# Altium PCB PCB5_制版20140402.PcbDoc (part 1 of 5) (continued)
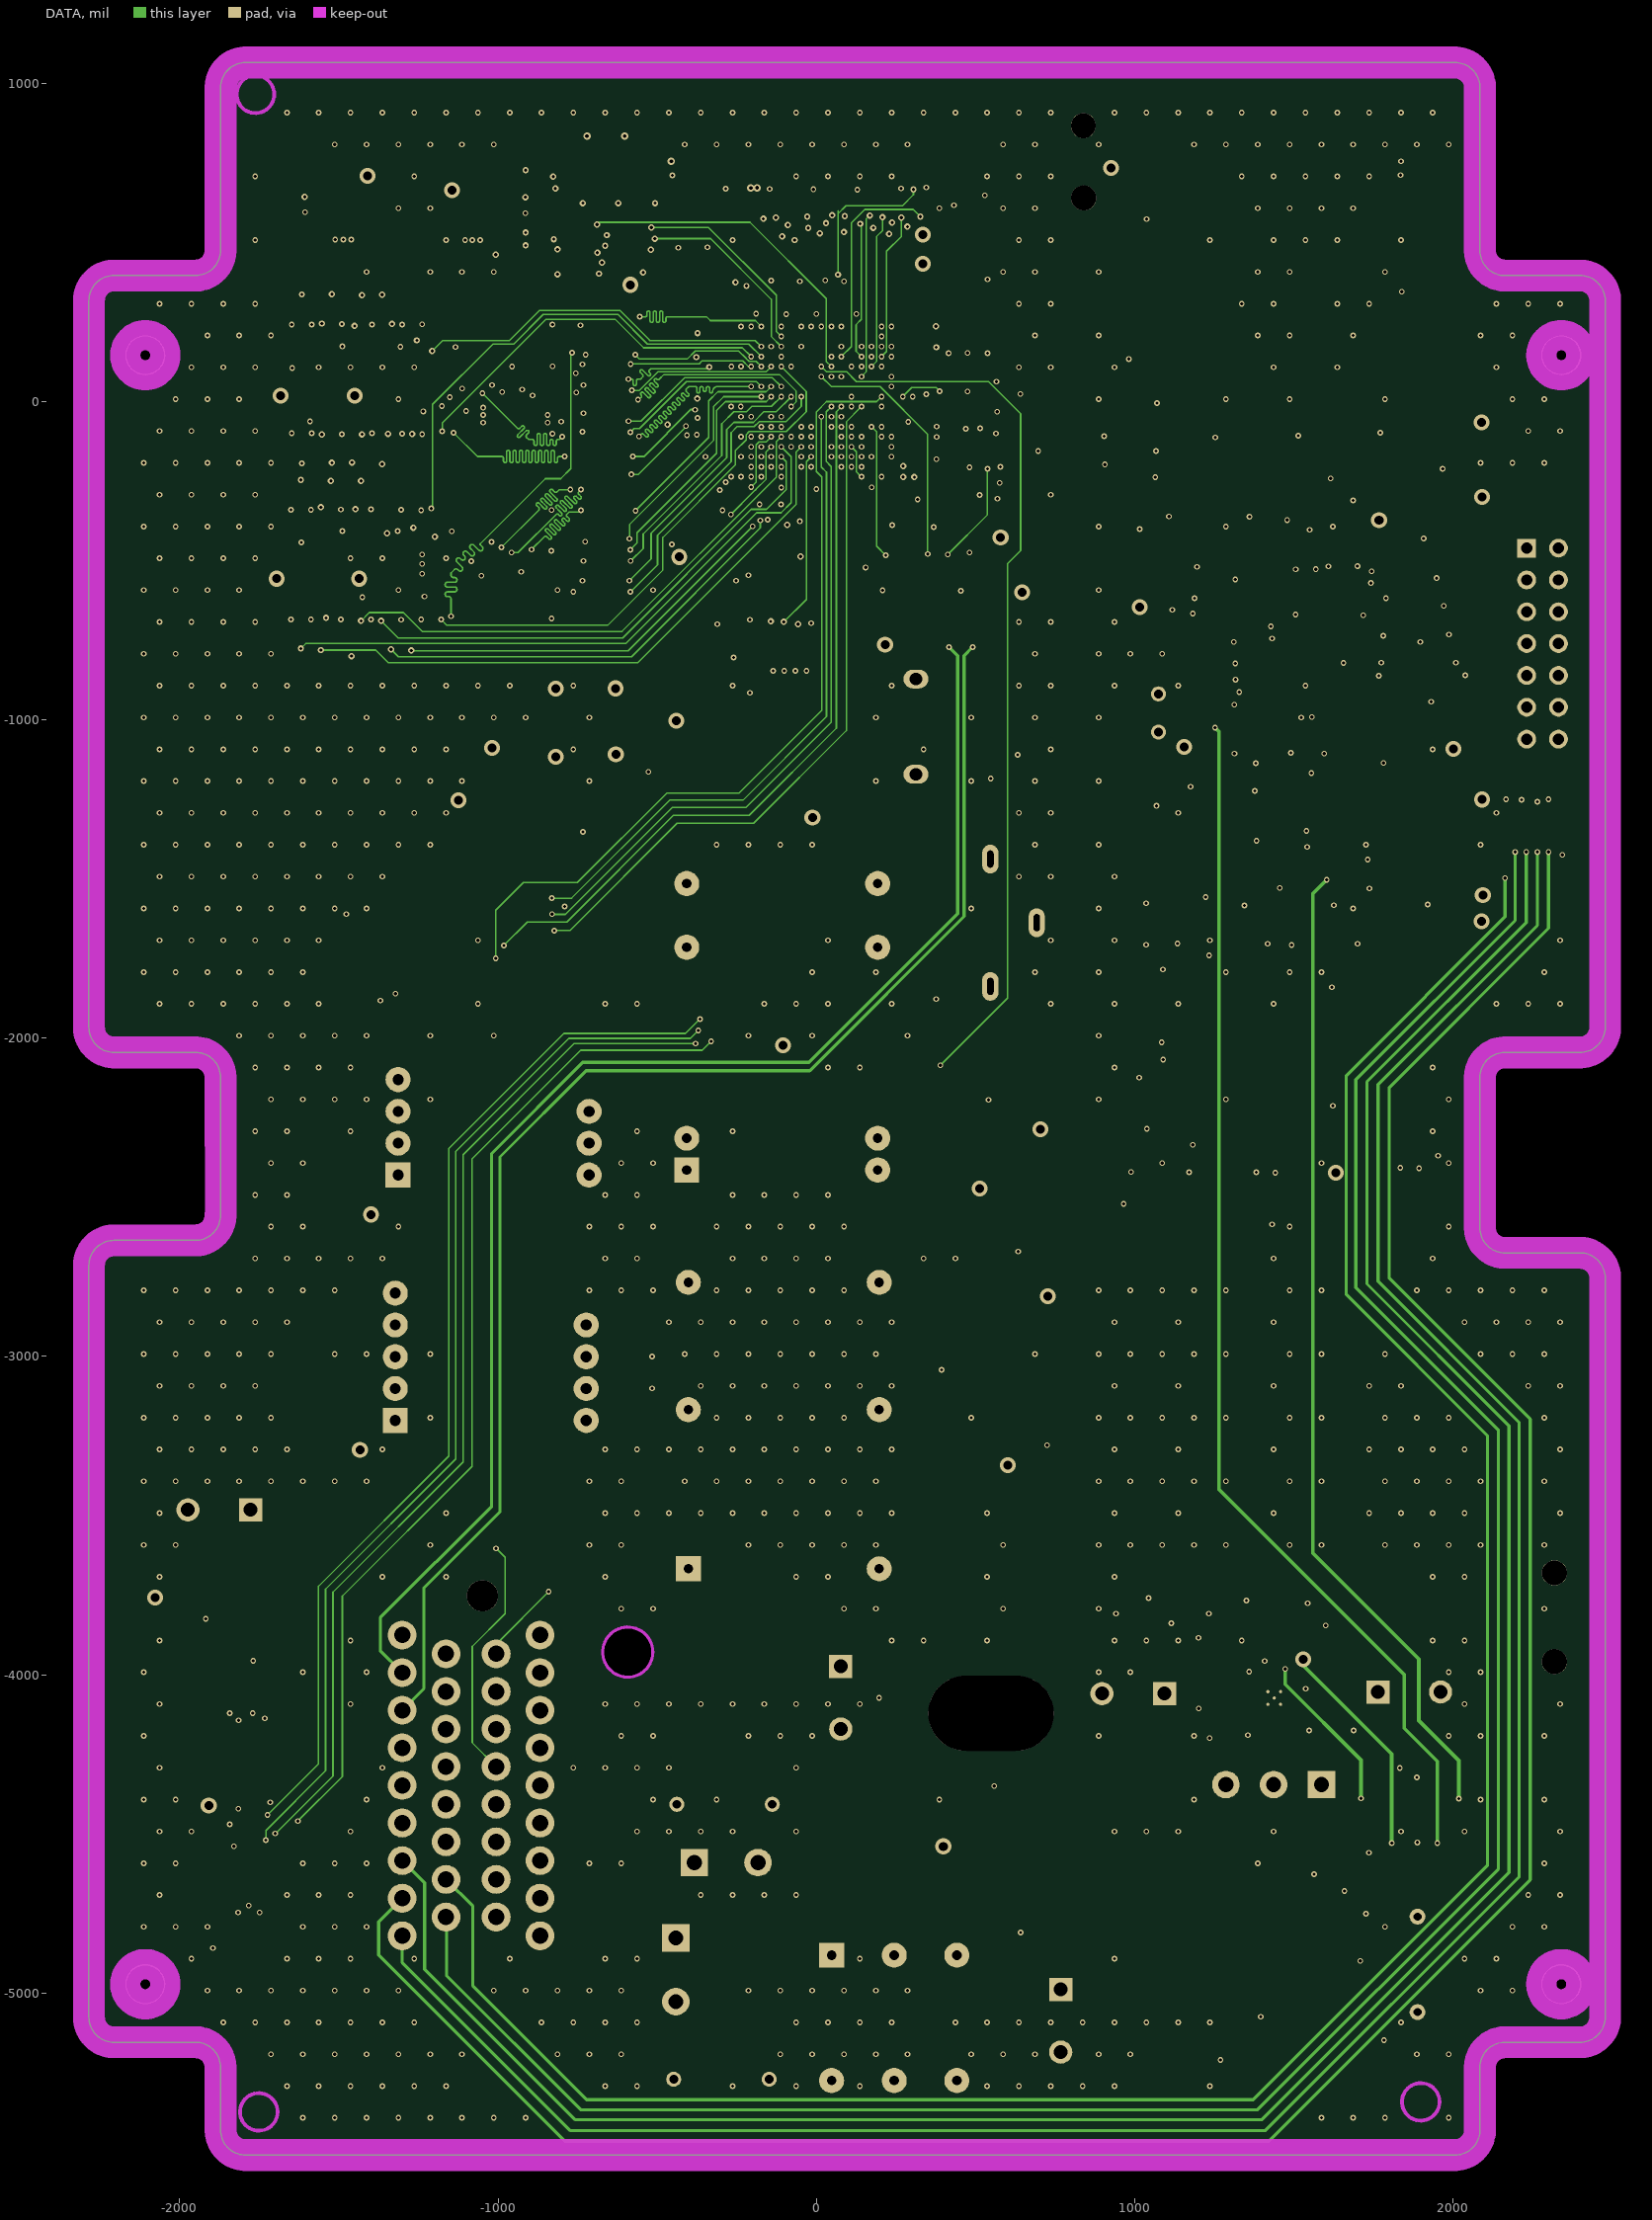
[diagram p4: DATA]
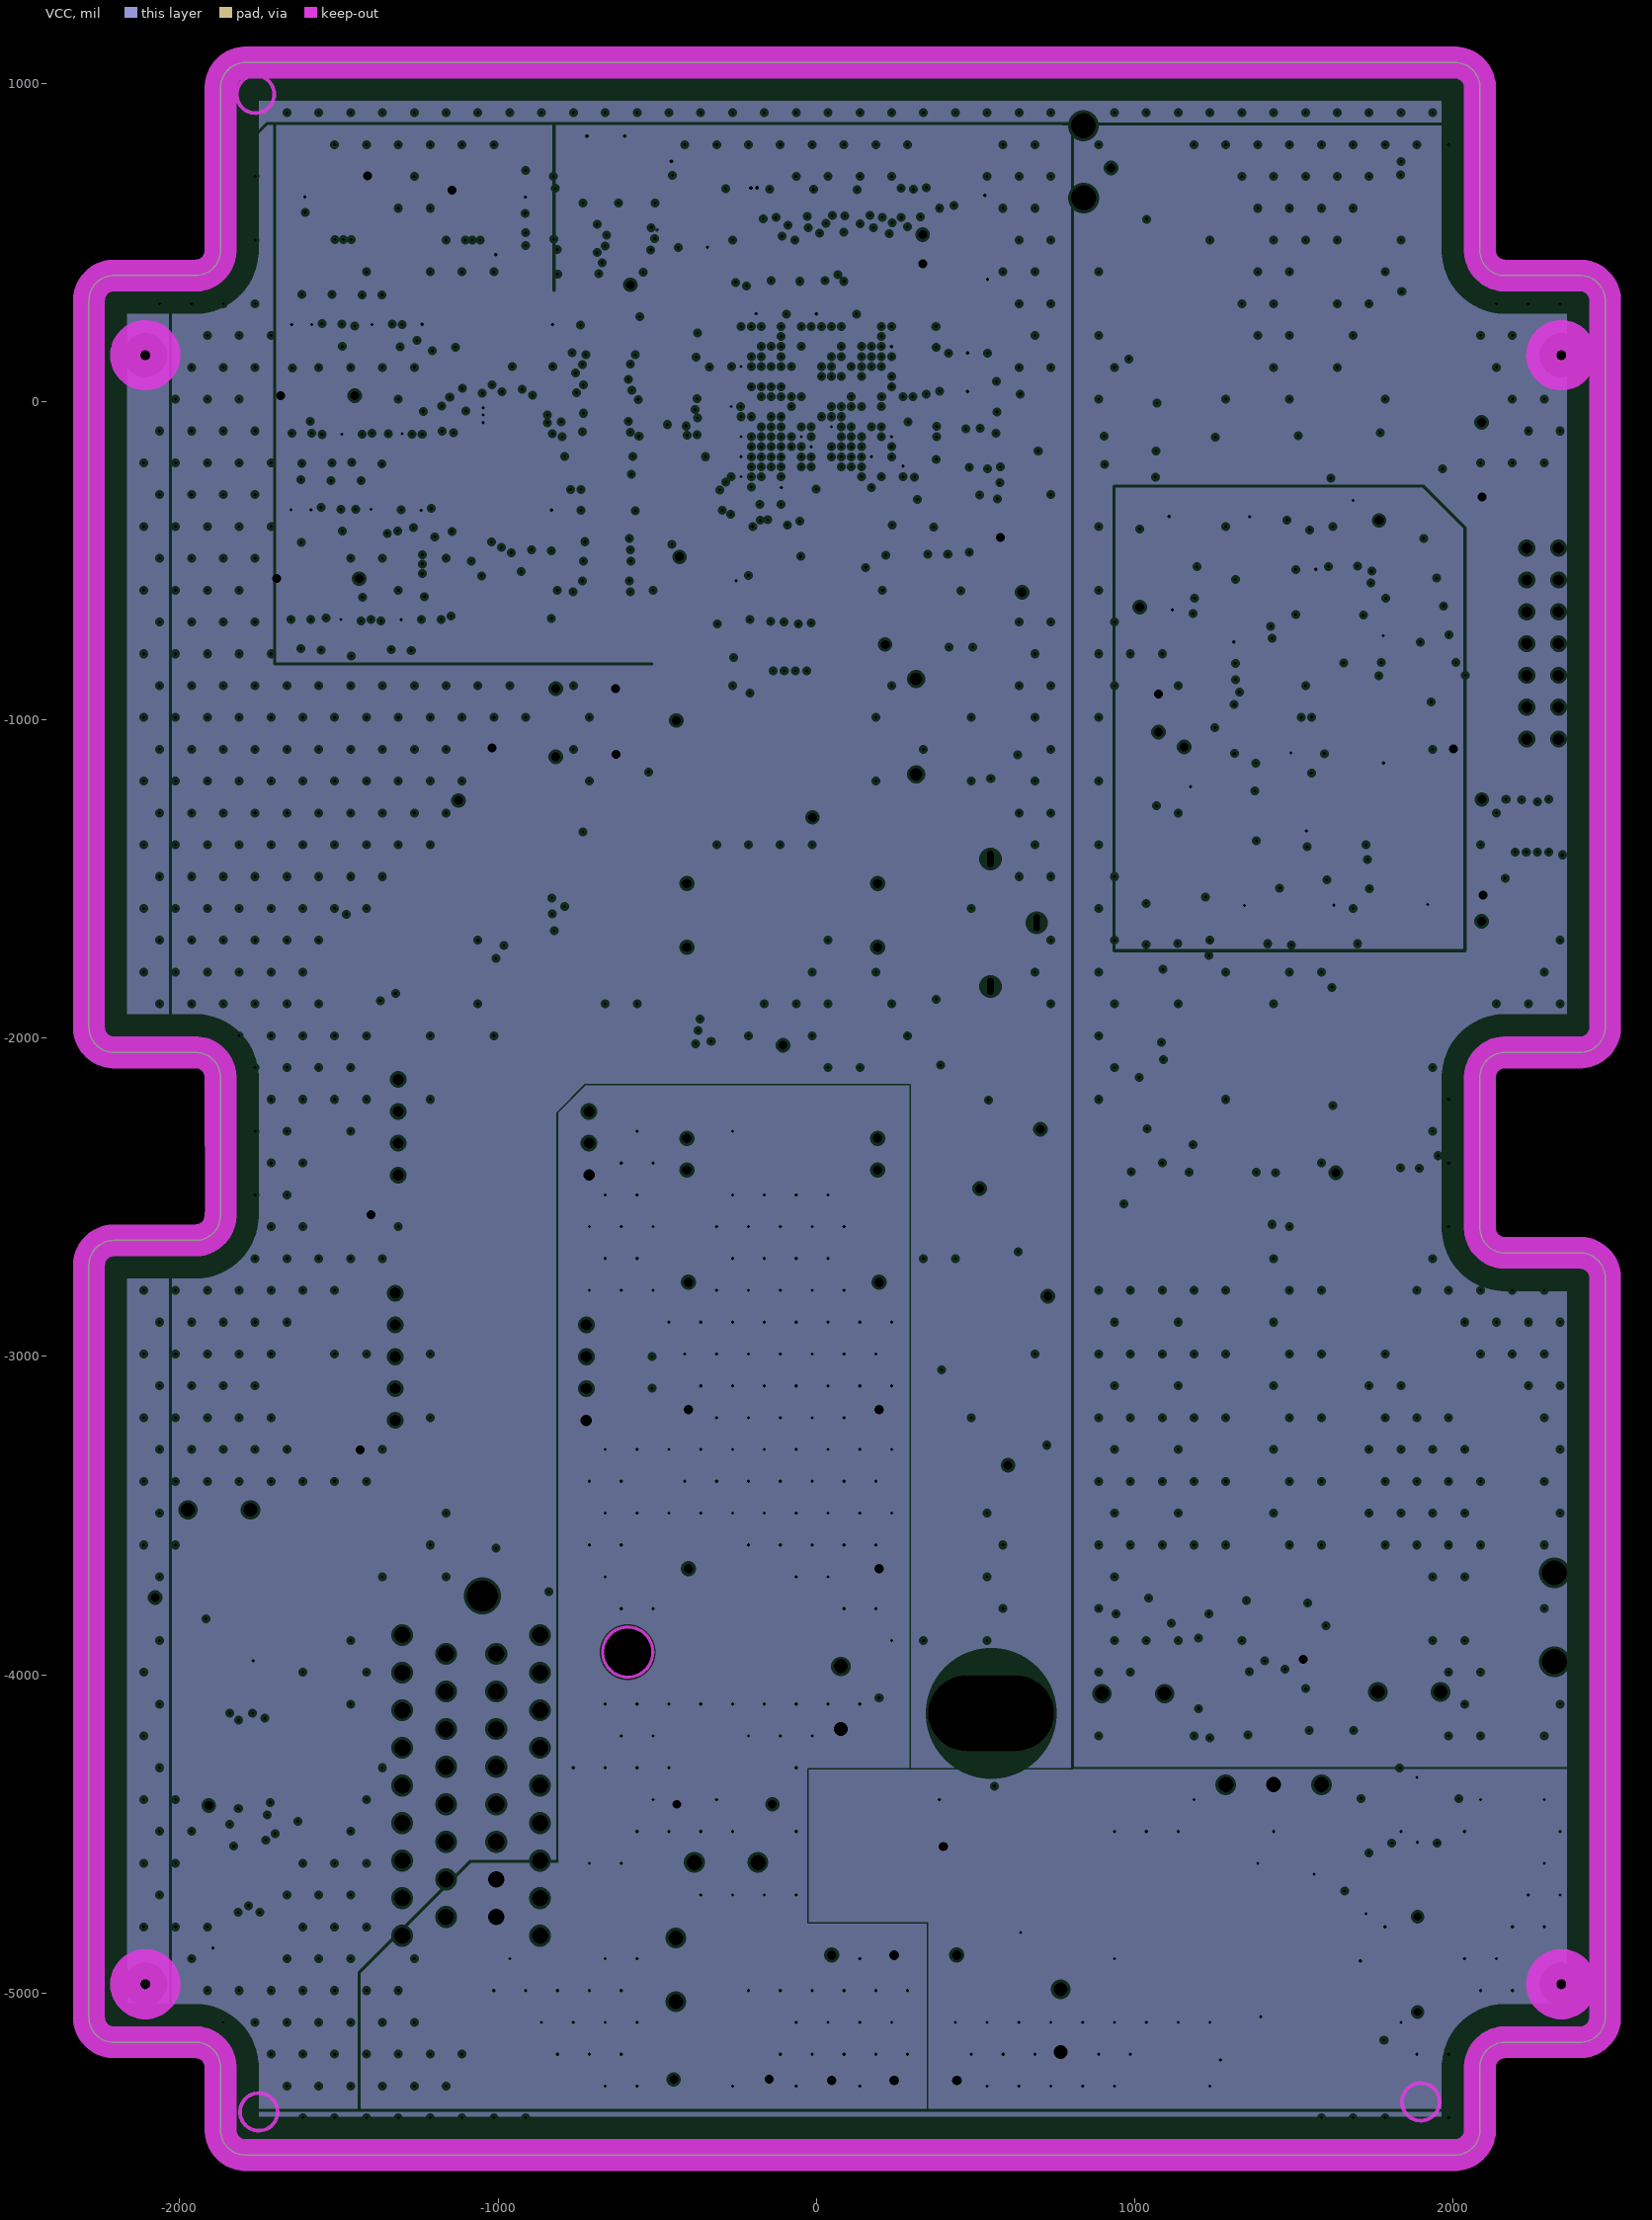
[diagram p5: VCC, clearances drawn from the general rule]
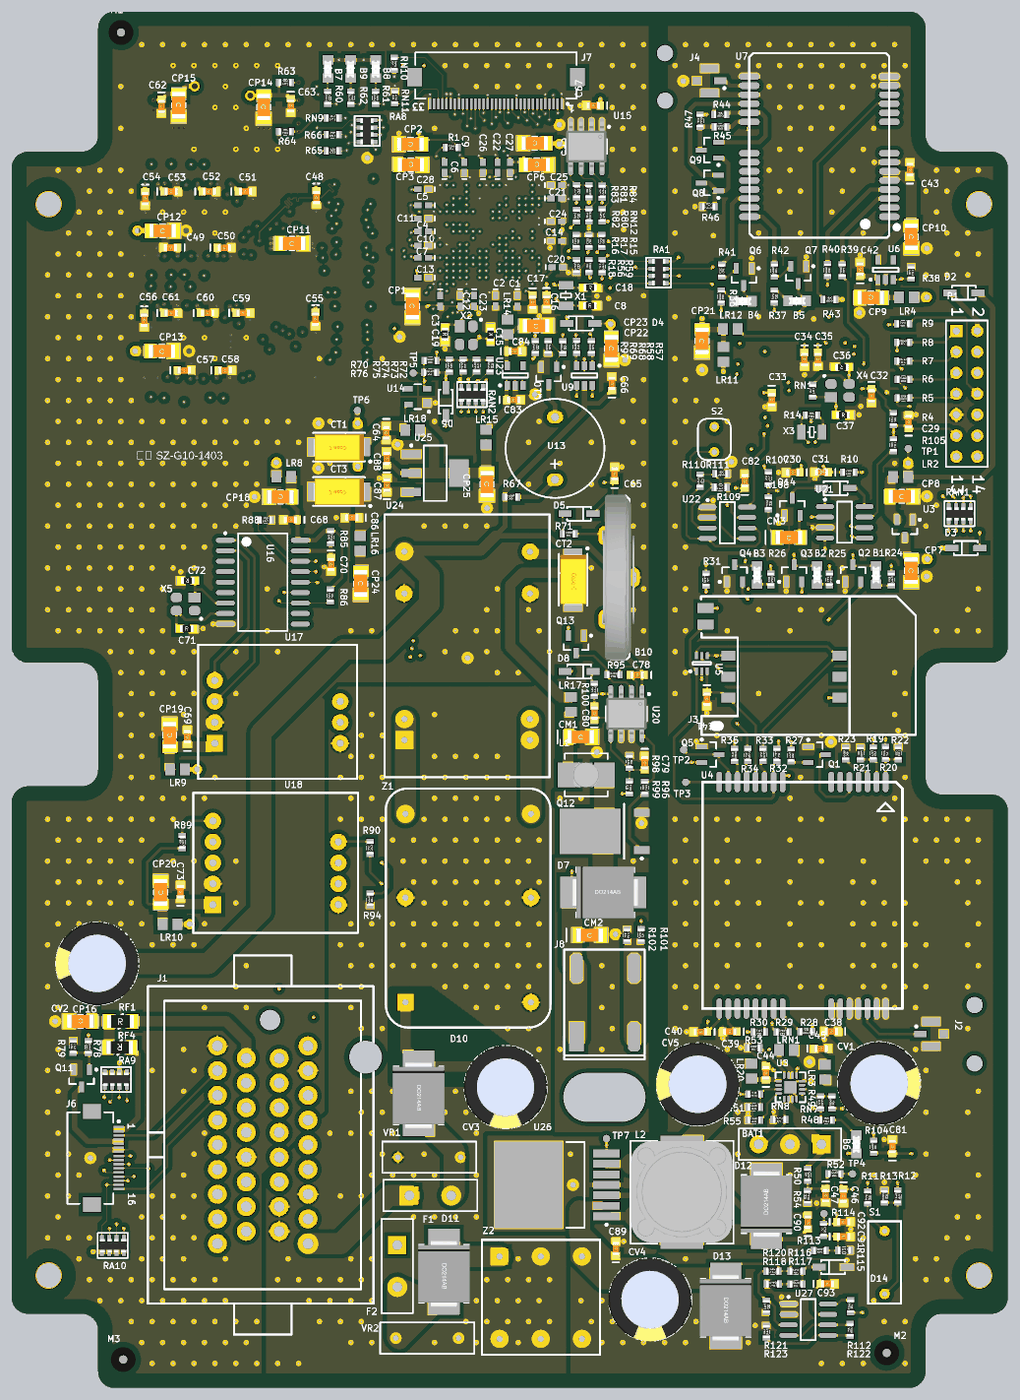
[diagram p10: 3D render of the assembled board from above, using the file's embedded part models]
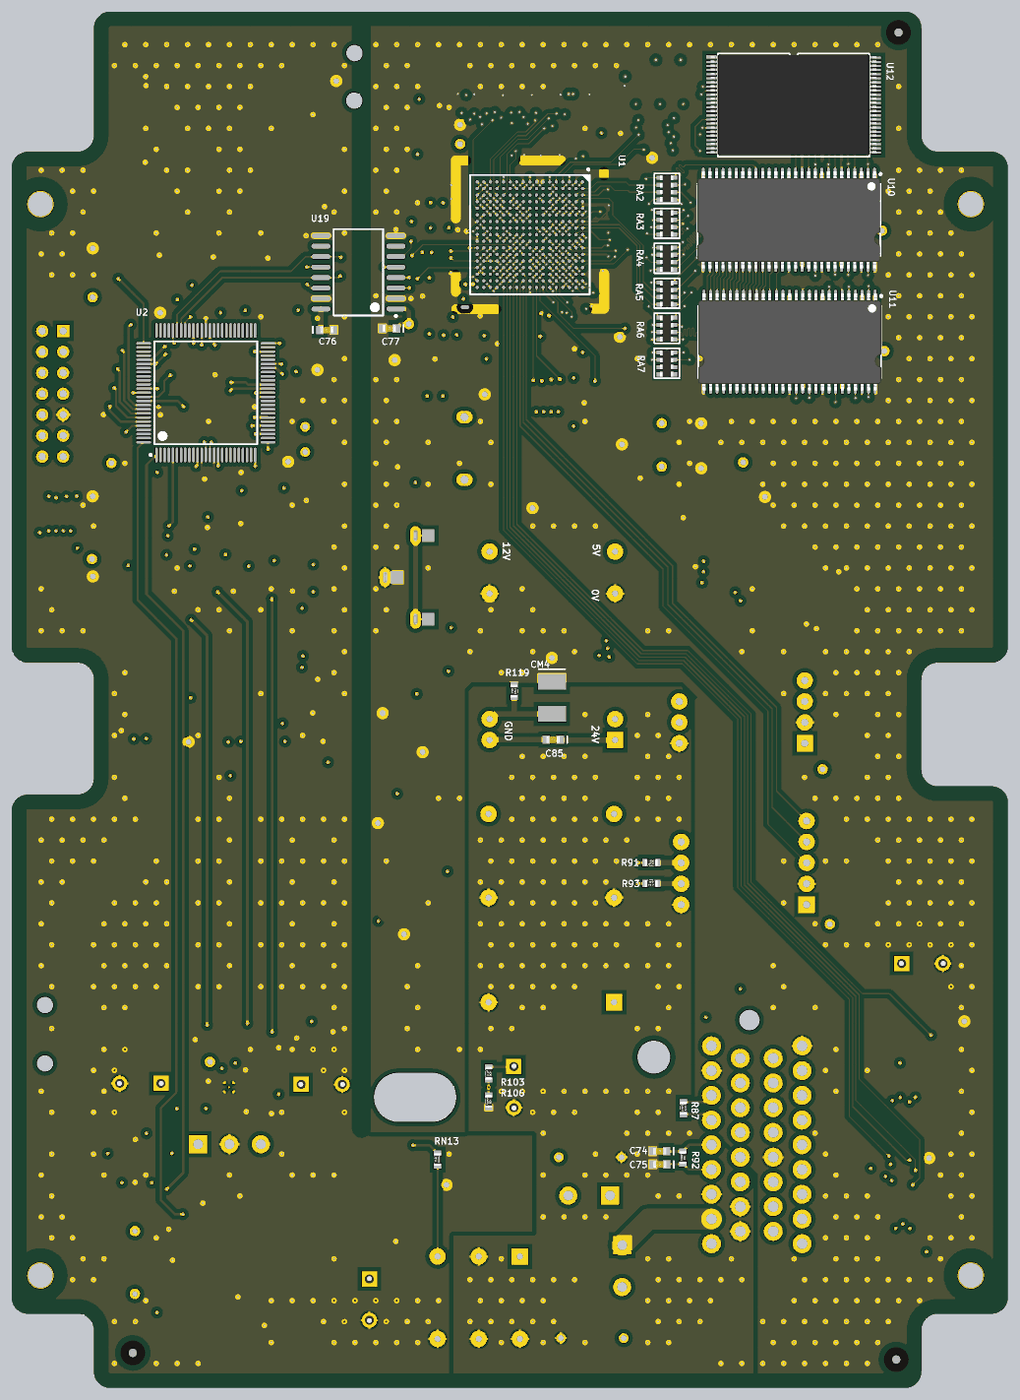
[diagram p11: 3D render of the assembled board from below, using the file's embedded part models]

## Layer stack, top to bottom
Top Layer: signal copper 1.4
Dielectric: core 9.4488, FR-4, Dk 4.8
GND: plane copper 1.4, net (Multiple Nets)
Dielectric: prepreg 18.1102, FR-4, Dk 4.8
ADDR: signal copper 1.4
Dielectric: core 14.1732, FR-4, Dk 4.8
DATA: signal copper 1.4
Dielectric: prepreg 18.1102, FR-4, Dk 4.8
VCC: plane copper 1.4, net (Multiple Nets)
Dielectric: core 12.6, FR-4, Dk 4.8
Bottom Layer: signal copper 1.4

## Board outline
-2285.41,-5076.15 ccw(c-2206.67,-5076.15) -2206.67,-5154.89 -1950.5,-5154.89 cw(c-1950.5,-5233.63) -1871.76,-5233.63 -1871.76,-5430.55 ccw(c-1793.02,-5430.55) -1793.02,-5509.29 2006.19,-5509.29 ccw(c2006.19,-5430.55) 2084.93,-5430.55 2084.93,-5233.63 cw(c2163.67,-5233.63) 2163.67,-5154.89 2399.63,-5154.89 ccw(c2399.63,-5076.15) 2478.37,-5076.15 2478.37,-2753.32 ccw(c2399.63,-2753.32) 2399.63,-2674.58 2163.67,-2674.58 cw(c2163.67,-2595.84) 2084.93,-2595.84 2084.93,-2123.4 cw(c2163.67,-2123.4) 2163.67,-2044.66 2399.63,-2044.66 ccw(c2399.63,-1965.92) 2478.37,-1965.92 2478.37,317.55 ccw(c2399.63,317.55) 2399.63,396.29 2163.67,396.29 cw(c2163.67,475.03) 2084.93,475.03 2084.93,986.84 ccw(c2006.19,986.84) 2006.19,1065.58 -1793.02,1065.58 ccw(c-1793.02,986.84) -1871.76,986.84 -1871.76,475.03 cw(c-1950.5,475.03) -1950.5,396.29 -2206.67,396.29 ccw(c-2206.67,317.55) -2285.41,317.55 -2285.41,-1965.92 ccw(c-2206.67,-1965.92) -2206.67,-2044.66 -1950.5,-2044.66 cw(c-1950.5,-2123.4) -1871.76,-2123.4 -1871.03,-2557.52 -1871.76,-2556.54 cw(c-1950.5,-2556.54) -1950.5,-2635.28 -2206.67,-2635.28 ccw(c-2206.67,-2714.02) -2285.41,-2714.02

## Design rules (kind name [scope] priority, off if disabled: settings)
Clearance Clearance_2 [InNamedPolygon('Top Layer-GGND') Or  InNamedPolygon('Bottom Layer-DGND') Or  InNamedPolygon('Top Layer-EGND') Or  InNamedPolygon('Top Layer-DGND') Or  InNamedPolygon('Bottom Layer-GGND') Or  InNamedPolygon('Bottom Layer-EGND')] p1: gap=20
Clearance Clearance_Polygon_VDD1.3 [InNamedPolygon('Top Layer-VDD1.3V')] p2: gap=8
Clearance Clearance_DDR_Poly_25mil [IsTrack and (InNetClass('DDR_CTL') or InNetClass('DDR_CTL0') or InNetClass('DDR_D0') or InNetClass('DDR_D1') or InNetClass('DDR_D2') or InNetClass('DDR_D3') ) vs InPoly] p3: gap=25
Clearance Clearance_Via_CPU [IsVia vs InComponentClass('01-CPU1')] p4: gap=4
Clearance Clearance_diffpair_Poly_25mil [InDifferentialPairClass('All Differential Pairs') vs InPoly] p5: gap=25
Clearance Clearance_PAD_Poly_10mil [IsPad vs InPoly] p6: gap=10
Clearance Clearance_VIA_Poly_6mil [IsVia vs InPoly] p7: gap=6
Clearance [All] p8: gap=6
DiffPairsRouting [All] p1: maxlimit=10 minlimit=10 mostfreqgap=10 maxuncoupledlength=500
Length Length_DDR [(InNetClass('DDR_CTLL') OR InNetClass('DDR_CTLR'))] p1: maxlimit=2080 minlimit=1780
PlaneClearance [All] p1: clearance=9
PlaneConnect [All] p1: planeconnectstyle=Direct reliefexpansion=20 reliefentries=4 reliefconductorwidth=10 reliefairgap=10
PolygonConnect PolygonConnect_Relief [OnLayer('Top') or OnLayer('Bot')] p1: connectstyle=Relief reliefconductorwidth=10 reliefentries=4 polygonreliefangle="90 Angle" airgapwidth=10
PolygonConnect PolygonConnect_BigCurrent [InPadClass('Big_Cu') vs IsPoly] p2: connectstyle=Direct reliefconductorwidth=10 reliefentries=4 polygonreliefangle="90 Angle" airgapwidth=10
PolygonConnect PolygonConnect_THRU [IsThruPin vs IsPoly] p3: connectstyle=Relief reliefconductorwidth=10 reliefentries=4 polygonreliefangle="90 Angle" airgapwidth=10
PolygonConnect PolygonConnect_VIA [IsVIA or IsSMTPin vs IsPoly] p4: connectstyle=Direct reliefconductorwidth=10 reliefentries=4 polygonreliefangle="90 Angle" airgapwidth=10
PolygonConnect [All] p5: connectstyle=Direct reliefconductorwidth=10 reliefentries=4 polygonreliefangle="90 Angle" airgapwidth=10
RoomDefinition 08-IIC [InComponentClass('08-IIC')] p1 off: confinementstyle=ConfineIn formatcopy=TRUE lockcomponents=FALSE outline 579.05,757.1 579.05,80.92 891.83,80.92 896.96,86.62 891.83,92.33 891.83,757.1
RoomDefinition 系统电路 [InComponentClass('系统电路')] p2 off: confinementstyle=ConfineIn formatcopy=TRUE lockcomponents=FALSE outline 1946.76,2517.72 686.76,2517.72 686.76,2137.72 1946.76,2137.72
RoomDefinition 电源ARM_VRD240512MP-8W [InComponentClass('电源ARM_VRD240512MP-8W')] p3 off: confinementstyle=ConfineIn formatcopy=TRUE lockcomponents=FALSE outline 2526.76,97.72 5271.76,97.72 5271.76,762.72 2526.76,762.72
RoomDefinition 电源ARM_LP5951_1.3 [InComponentClass('电源ARM_LP5951_1.3')] p4 off: confinementstyle=ConfineIn formatcopy=TRUE lockcomponents=FALSE outline 2526.76,-857.28 4091.76,-857.28 4091.76,-557.28 2526.76,-557.28
RoomDefinition 开盒检测_MAX931 [InComponentClass('开盒检测_MAX931')] p5 off: confinementstyle=ConfineIn formatcopy=TRUE lockcomponents=FALSE outline 2753.76,-1257.69 4388.76,-1257.69 4388.76,-907.69 2753.76,-907.69
RoomDefinition 上电唤醒_Max706 [InComponentClass('上电唤醒_Max706')] p6 off: confinementstyle=ConfineIn formatcopy=TRUE lockcomponents=FALSE outline 2720.76,-1655.35 5030.76,-1655.35 5030.76,-1305.35 2720.76,-1305.35
RoomDefinition "MAIN POWER" [InComponentClass('MAIN POWER')] p7 off: confinementstyle=ConfineIn formatcopy=TRUE lockcomponents=FALSE outline 2526.76,-2432.28 10391.76,-2432.28 10391.76,-1692.28 2526.76,-1692.28
RoomDefinition BQ24073_锂电池充电 [InComponentClass('BQ24073_锂电池充电')] p8 off: confinementstyle=ConfineIn formatcopy=TRUE lockcomponents=FALSE outline 2526.76,-3097.28 6371.76,-3097.28 6371.76,-2482.28 2526.76,-2482.28
RoomDefinition 12-LCD背光驱动_BIT3251 [InComponentClass('12-LCD背光驱动_BIT3251')] p9 off: confinementstyle=ConfineIn formatcopy=TRUE lockcomponents=FALSE outline 307.76,-3951.23 766.76,-3951.23 766.76,-1990.23 307.76,-1990.23
RoomDefinition 11-SPI [InComponentClass('11-SPI')] p10 off: confinementstyle=ConfineIn formatcopy=TRUE lockcomponents=FALSE outline 2526.76,-4397.28 4871.76,-4397.28 4871.76,-3842.28 2526.76,-3842.28
RoomDefinition 01-MSP430 [InComponentClass('01-MSP430')] p11 off: confinementstyle=ConfineIn formatcopy=TRUE lockcomponents=FALSE outline 2526.76,-5447.28 11591.76,-5447.28 11591.76,-4442.28 2526.76,-4442.28
RoomDefinition 07-LVDS [InComponentClass('07-LVDS')] p12 off: confinementstyle=ConfineIn formatcopy=TRUE lockcomponents=FALSE outline -507.85,878.5 -507.85,562.56 -506.86,563.54 498.06,563.54 498.06,876.53 499.04,877.52
RoomDefinition 06-Key [InComponentClass('06-Key')] p13 off: confinementstyle=ConfineIn formatcopy=TRUE lockcomponents=FALSE outline -2921.23,-3197.28 -2920.12,-3198.46 -2920.12,-4764.21 -1319.86,-4764.21 -1319.86,-3197.28
RoomDefinition 06-JTAG [InComponentClass('06-JTAG')] p14 off: confinementstyle=ConfineIn formatcopy=TRUE lockcomponents=FALSE outline -1766.71,-369.53 -1766.71,-1969.92 27.58,-1969.92 27.58,-369.53
RoomDefinition 05-RTC [InComponentClass('05-RTC')] p15 off: confinementstyle=ConfineIn formatcopy=TRUE lockcomponents=FALSE outline 331.72,-1247.48 331.72,-2112.64 723.45,-2112.64 723.45,-1247.48
RoomDefinition 05-RESET [InComponentClass('05-RESET')] p16 off: confinementstyle=ConfineIn formatcopy=TRUE lockcomponents=FALSE outline -374.97,-1090 -374.97,-644.13 49.24,-644.13 49.24,-1090
RoomDefinition 04-蜂鸣器 [InComponentClass('04-蜂鸣器')] p17 off: confinementstyle=ConfineIn formatcopy=TRUE lockcomponents=FALSE outline 55.14,-1276.02 55.14,-604.76 611.25,-604.76 611.25,-1276.02
RoomDefinition 04-FLASH [InComponentClass('04-FLASH')] p18 off: confinementstyle=ConfineIn formatcopy=TRUE lockcomponents=FALSE outline -1703.71,920.83 -1703.71,349.96 -444.86,349.96 -444.86,920.83
RoomDefinition 03-指示灯 [InComponentClass('03-指示灯')] p19 off: confinementstyle=ConfineIn formatcopy=TRUE lockcomponents=FALSE outline -818.87,868.66 -818.87,597.01 -482.26,597.01 -482.26,868.66
RoomDefinition 03-MEM [InComponentClass('03-MEM')] p20 off: confinementstyle=ConfineIn formatcopy=TRUE lockcomponents=FALSE outline -1740.13,354.88 -1740.13,-836.06 -534.42,-836.06 -534.42,354.88
RoomDefinition "01-USB Device" [InComponentClass('01-USB Device')] p21 off: confinementstyle=ConfineIn formatcopy=TRUE lockcomponents=FALSE outline -2335.6,-1436.46 -2335.6,-2426.62 -815.92,-2426.62 -815.92,-1436.46
RoomDefinition 01-CPU1 [InComponentClass('01-CPU1')] p22 off: confinementstyle=ConfineIn formatcopy=TRUE lockcomponents=FALSE outline -518.24,-888.23 539.38,-888.23 539.38,1007.72 -518.24,1007.72
RoomDefinition 10-RS485 [InComponentClass('10-RS485')] p23 off: confinementstyle=ConfineIn formatcopy=TRUE lockcomponents=FALSE outline -1610.21,-3348.86 -445.84,-3348.86 -445.84,-2616.58 -1610.21,-2616.58
RoomDefinition INTERFACE [InComponentClass('INTERFACE')] p24 off: confinementstyle=ConfineIn formatcopy=TRUE lockcomponents=FALSE outline -1789.62,-5289.06 -369.62,-5289.06 -369.62,-3339.06 -1789.62,-3339.06
RoomDefinition 03-GPS [InComponentClass('03-GPS')] p25 off: confinementstyle=ConfineIn formatcopy=TRUE lockcomponents=FALSE outline 3733.32,982.75 3733.32,2185.53 2576.99,2185.53 2576.99,982.75
RoomDefinition 02-GPRS [InComponentClass('02-GPRS')] p26 off: confinementstyle=ConfineIn formatcopy=TRUE lockcomponents=FALSE outline 5544.02,-1589.69 6722.17,-1589.69 6722.17,1430.24 5544.02,1430.24
RoomDefinition 02-CPU2 [InComponentClass('02-CPU2')] p27 off: confinementstyle=ConfineIn formatcopy=TRUE lockcomponents=FALSE outline 391.76,-1283.46 949.8,-1283.46 949.8,1012.72 391.76,1012.72
RoomDefinition 09-CAN [InComponentClass('09-CAN')] p28 off: confinementstyle=ConfineIn formatcopy=TRUE lockcomponents=FALSE outline -1526.55,-815.39 -1526.55,-2611.65 -403.52,-2611.65 -403.52,-817.09 -405.23,-815.39
RoutingVias [All] p1: holewidth=10 width=18 viastyle="Through Hole" minholewidth=10 minwidth=18 maxholewidth=30 maxwidth=50
SolderMaskExpansion [All] p1: expansion=4
Width [All] p1: maxlimit=100 minlimit=4 preferedwidth=6
25 further rules are at their usual default settings.

## Classes and differential pairs
component class 01-CPU1: C1 C2 C3 C4 C5 C6 C7 C8 C9 C10 C11 C12 C13 C14 C15 C16 C17 C18 C19 C20 C21 C22 C23 C24 C25 C26 C27 C28 CP1 CP2 CP3 CP5 CP6 R1 U1 X1 X2
component class 01-MSP430: C29 C30 C31 C32 C33 C34 C35 C36 C37 CP7 CP8 D2 D3 LR2 P1 R4 R5 R6 R7 R8 R9 R10 R11 R12 R13 R14 RAN1 RN1 S1 TP1 U2 U3 X3 X4
component class "01-USB Device": R56 R57 R58 R59 U9
component class 02-CPU2: R15 R16 R17 R18 RA1
component class 02-GPRS: B1 B2 B3 C38 C39 C40 C41 CV1 J2 J3 LR3 Q1 Q2 Q3 Q4 Q5 R19 R20 R21 R22 R23 R24 R25 R26 R27 R28 R29 R30 R31 R32 R33 R34 R35 TP2 TP3 U4 U5
component class 03-GPS: B4 B5 C42 C43 CP9 CP10 J4 LR4 Q6 Q7 Q8 Q9 R36 R37 R38 R39 R40 R41 R42 R43 R44 R45 R46 R47 U6 U7
component class 03-MEM: C48 C49 C50 C51 C52 C53 C54 C55 C56 C57 C58 C59 C60 C61 CP11 CP12 CP13 CT1 RA2 RA3 RA4 RA5 RA6 RA7 U10 U11
component class 03-指示灯: B7 B8 B9 R60 R61 R62
component class 04-FLASH: C62 C63 CP14 CP15 R63 R64 R65 R66 RA8 RN9 U12
component class 04-蜂鸣器: Q10 R67 R68 R69 U13
component class 05-RESET: C64 R70 TP5 U14
component class 05-RTC: B10 C65 D4 D5 R71
component class 06-JTAG: D6 R72 R73 R74 R75 R76 RAN2
component class 06-Key: C66 CP16 CV2 J6 Q11 R78 R79 RA9 RA10 RF4
component class 07-LVDS: J7 RN10 RN11
component class 08-IIC: C67 R80 R81 R82 R83 R84 RN12 U15
component class 09-CAN: C68 C69 C70 C71 C72 CP18 CP19 LR8 LR9 R85 R86 R87 R88 U16 U17 X5
component class 10-RS485: C73 C74 C75 CP20 LR10 R89 R90 R91 R92 R93 R94 U18
component class 11-SPI: C76 C77 CP21 CP22 LR11 LR12 U19
component class 12-LCD背光驱动_BIT3251: C78 C79 C80 CM1 CM2 D7 D8 J8 L1 Q12 Q13 R95 R96 R97 R98 R99 R100 R101 R102 U20
component class BQ24073_锂电池充电: B6 BAT1 C44 C45 C46 C47 LRN1 R48 R49 R50 R51 R52 R53 R54 R55 RN6 RN7 RN8 TP4 U8
component class INTERFACE: J1 RF1
component class "MAIN POWER": C89 C90 C91 C92 C93 CM4 CV4 CV5 D11 D12 D13 D14 F2 L2 LR20 R112 R113 R114 R115 R116 R117 R118 R119 R120 R121 R122 R123 R126 RN13 TP7 TP8 U26 U27 VR2 Z2
component class 上电唤醒_Max706: C81 CM3 D9 Q14 R103 R104 R105 R106 R107 R108 U21
component class 开盒检测_MAX931: C82 R109 R110 R111 S2 U22
component class 电源ARM_LP5951_1.3: C83 C84 CP23 LR14 LR15 U23
component class 电源ARM_VRD240512MP-8W: C85 C86 C87 C88 CP24 CP25 CT2 CT3 CV3 D10 F1 LR16 LR17 LR18 TP6 U24 U25 VR1 Z1
component class 系统电路: M1 M2 M3
net class DDR_CTLL: ALADDR2 ALADDR3 ALADDR4 ALADDR5 ALADDR12 ALADDR24 ALADDR25 ALNSCAS ALNSCS0 ALNSRAS ALNWE LADDR2 LADDR3 LADDR4 LADDR5 LADDR12 LADDR24 LADDR25 LNSCAS LNSCS0 LNSRAS LNWE
net class DDR_CTLR: ALADDR6 ALADDR7 ALADDR8 ALADDR9 ALADDR10 ALADDR11 ALADDR13 ALADDR14 ALSCKE ALSCLK0 ALSCLK1 LADDR6 LADDR7 LADDR8 LADDR9 LADDR10 LADDR11 LADDR13 LADDR14 LSCKE LSCLK0 LSCLK1
net class DDR_D0: LDATA0 LDATA1 LDATA2 LDATA3 LDATA4 LDATA5 LDATA6 LDATA7 LDNWBE0
net class DDR_D1: LDATA8 LDATA9 LDATA10 LDATA11 LDATA12 LDATA13 LDATA14 LDATA15 LDNWBE1
net class DDR_D2: LDATA16 LDATA17 LDATA18 LDATA19 LDATA20 LDATA21 LDATA22 LDATA23 LDNWBE2
net class DDR_D3: LDATA24 LDATA25 LDATA26 LDATA27 LDATA28 LDATA29 LDATA30 LDATA31 LDNWBE3
net class Flash: AFALE AFCLE AFNFCE AFNFRE AFNFWE AFRNB FALE FCLE FNFCE FNFRE FNFWE FRNB GPB10/NAND
net class IIC: I2CSCL I2CSDA
net class JTAG: NRESET NTRST TCK TDI TDO TMS
net class LCD: GPC1/VCLK GPC2/VLINE GPC3/VFRAME GPC4/VM LVD2 LVD3 LVD4 LVD5 LVD6 LVD7 LVD10 LVD11 LVD12 LVD13 LVD14 LVD15 LVD18 LVD19 LVD20 LVD21 LVD22 LVD23
net class LED: BACK BREQ DACK DREQ
net class Nand_CON: GPG13 GPG14 GPG15 NCON
net class SPI0: EINT9/GPG1 NSS0/EINT10/GPG2 SPICLK/GPE13 SPIMISO/GPE11 SPIMOSI/GPE12
net class SPI1: NSS1/EINT11/GPG3 SPICLK1/GPG7 SPISI1/GPG6 SPISO1/GPG5
net class USB: USBD1_N USBD1_P USBH0_N USBH0_P
differential pair CAN: +CAN_P -CAN_N
differential pair USB1: +USB1_P -USB1_N
